# KiCad board door-server.kicad_pcb
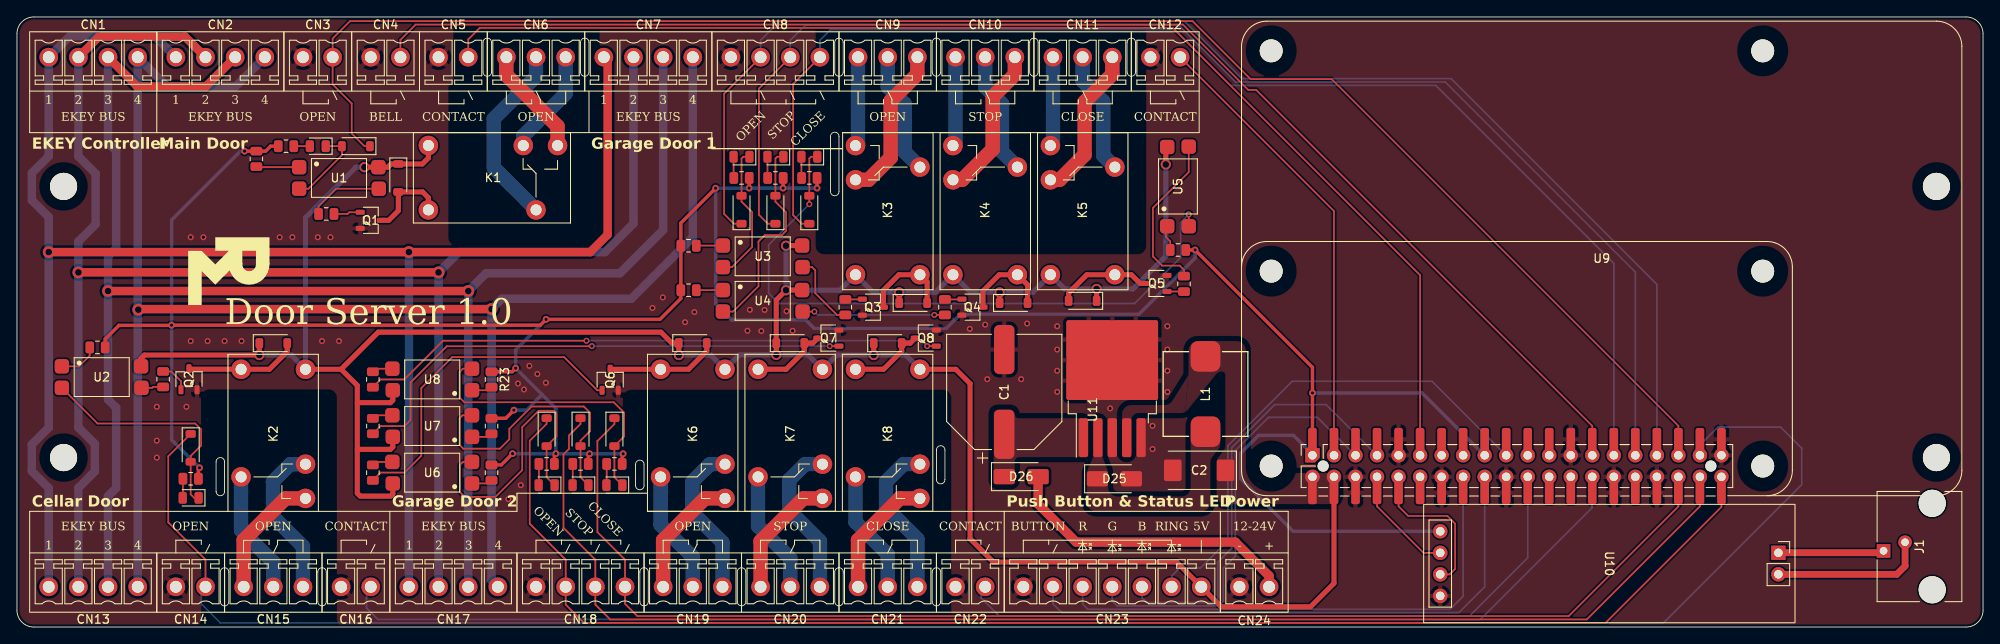
[diagram p0: board, top side]
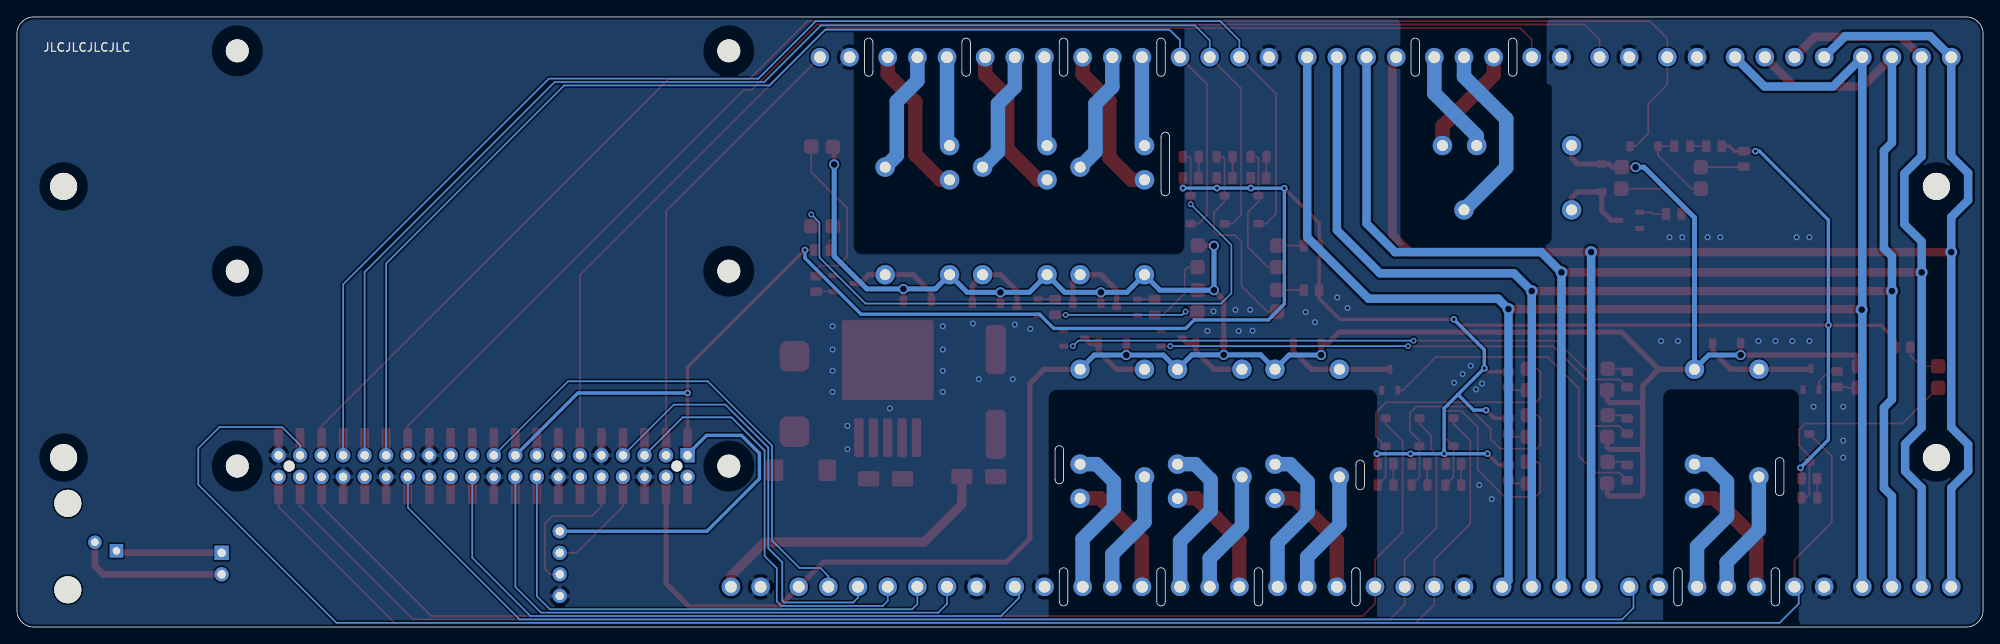
[diagram p1: board, bottom side, seen from below]

Outline 232 x 72 mm; copper layers: Top, Bottom. Coordinates in mm from the lower left corner of the outline.
Outline path: 0,70 0,2 arc(0.59,0.59) 2,0 230,0 arc(231.41,0.59) 232,2 232,70 arc(231.41,71.41) 230,72 2,72 arc(0.59,71.41) 0,70 ; 23.5,19.5 23.5,16 arc(24,15.5) 24.5,16 24.5,19.5 arc(24,20) 23.5,19.5 ; 24,6.5 24,3 arc(24.5,2.5) 25,3 25,6.5 arc(24.5,7) 24,6.5 ; 35.5,6.5 35.5,3 arc(36,2.5) 36.5,3 36.5,6.5 arc(36,7) 35.5,6.5 ; 55,69 55,65.5 arc(55.5,65) 56,65.5 56,69 arc(55.5,69.5) 55,69 ; 66.5,69 66.5,65.5 arc(67,65) 67.5,65.5 67.5,69 arc(67,69.5) 66.5,69 ; 73,19.2 73,16.7 arc(73.5,16.2) 74,16.7 74,19.2 arc(73.5,19.7) 73,19.2 ; 73.5,6.5 73.5,3 arc(74,2.5) 74.5,3 74.5,6.5 arc(74,7) 73.5,6.5 ; 85,6.5 85,3 arc(85.5,2.5) 86,3 86,6.5 arc(85.5,7) 85,6.5 ; 96,57.9 96,51.4 arc(96.5,50.9) 97,51.4 97,57.9 arc(96.5,58.4) 96,57.9 ; 96.5,69 96.5,65.5 arc(97,65) 97.5,65.5 97.5,69 arc(97,69.5) 96.5,69 ; 96.5,6.5 96.5,3 arc(97,2.5) 97.5,3 97.5,6.5 arc(97,7) 96.5,6.5 ; 108,69 108,65.5 arc(108.5,65) 109,65.5 109,69 arc(108.5,69.5) 108,69 ; 108,6.5 108,3 arc(108.5,2.5) 109,3 109,6.5 arc(108.5,7) 108,6.5 ; 108.5,20.9 108.5,17.4 arc(109,16.9) 109.5,17.4 109.5,20.9 arc(109,21.4) 108.5,20.9 ; 119.5,69 119.5,65.5 arc(120,65) 120.5,65.5 120.5,69 arc(120,69.5) 119.5,69 ; 131,69 131,65.5 arc(131.5,65) 132,65.5 132,69 arc(131.5,69.5) 131,69
Stack: Top 0.035mm / dielectric 1.51mm FR4 er 4.5 / Bottom 0.035mm

## Placement (name value [footprint] x y rotation side)
C1  470µF  [CAP-SMD_BD12.5-L13.6-W13.6-LS13.5-FD]  116.5 27.75 90 top
C2  220µF  [CP_EIA-7343-30_AVX-N]  139.5 18.5 180 top
CN1  KF2EDGV-3.5-4P  [CONN-TH_4P-P3.50_KF2EDGV-3.5-4P]  9 66.75 0 top
CN2  KF2EDGV-3.5-4P  [CONN-TH_4P-P3.50_KF2EDGV-3.5-4P]  24 66.75 0 top
CN3  KF2EDGV-3.5-2P  [CONN-TH_2P_P3.50_KF2EDGV-3.5-2P]  35.5 66.75 0 top
CN4  KF2EDGV-3.5-2P  [CONN-TH_2P_P3.50_KF2EDGV-3.5-2P]  43.5 66.75 0 top
CN5  KF2EDGV-3.5-2P  [CONN-TH_2P_P3.50_KF2EDGV-3.5-2P]  51.5 66.75 0 top
CN6  KF2EDGV-3.5-3P  [CONN-TH_3P-P3.50_KF2EDGV-3.5-3P]  61.25 66.75 0 top
CN7  KF2EDGV-3.5-4P  [CONN-TH_4P-P3.50_KF2EDGV-3.5-4P]  74.5 66.75 0 top
CN8  KF2EDGV-3.5-4P  [CONN-TH_4P-P3.50_KF2EDGV-3.5-4P]  89.5 66.75 0 top
CN9  KF2EDGV-3.5-3P  [CONN-TH_3P-P3.50_KF2EDGV-3.5-3P]  102.75 66.75 0 top
CN10  KF2EDGV-3.5-3P  [CONN-TH_3P-P3.50_KF2EDGV-3.5-3P]  114.25 66.75 0 top
CN11  KF2EDGV-3.5-3P  [CONN-TH_3P-P3.50_KF2EDGV-3.5-3P]  125.75 66.75 0 top
CN12  KF2EDGV-3.5-2P  [CONN-TH_2P_P3.50_KF2EDGV-3.5-2P]  135.5 66.75 0 top
CN13  KF2EDGV-3.5-4P  [CONN-TH_4P-P3.50_KF2EDGV-3.5-4P]  9 5.25 180 top
CN14  KF2EDGV-3.5-2P  [CONN-TH_2P_P3.50_KF2EDGV-3.5-2P]  20.5 5.25 180 top
CN15  KF2EDGV-3.5-3P  [CONN-TH_3P-P3.50_KF2EDGV-3.5-3P]  30.25 5.25 180 top
CN16  KF2EDGV-3.5-2P  [CONN-TH_2P_P3.50_KF2EDGV-3.5-2P]  40 5.25 180 top
CN17  KF2EDGV-3.5-4P  [CONN-TH_4P-P3.50_KF2EDGV-3.5-4P]  51.5 5.25 180 top
CN18  KF2EDGV-3.5-4P  [CONN-TH_4P-P3.50_KF2EDGV-3.5-4P]  66.5 5.25 180 top
CN19  KF2EDGV-3.5-3P  [CONN-TH_3P-P3.50_KF2EDGV-3.5-3P]  79.75 5.25 180 top
CN20  KF2EDGV-3.5-3P  [CONN-TH_3P-P3.50_KF2EDGV-3.5-3P]  91.25 5.25 180 top
CN21  KF2EDGV-3.5-3P  [CONN-TH_3P-P3.50_KF2EDGV-3.5-3P]  102.75 5.25 180 top
CN22  KF2EDGV-3.5-2P  [CONN-TH_2P_P3.50_KF2EDGV-3.5-2P]  112.5 5.25 180 top
CN23  KF2EDGV-3.5-7P  [CONN-TH_7P-P3.50_KF2EDGV-3.5-7P]  129.25 5.25 180 top
CN24  KF2EDGV-3.5-2P  [CONN-TH_2P_P3.50_KF2EDGV-3.5-2P]  146 5.25 180 top
D1  LED  [LED0805-RD_RED]  35.5 56.75 180 top
D2  1N4148W  [D_SOD-123]  40 56.75 180 top
D3  1N4148W  [D_SOD-123]  45 53 270 top
D4  LED  [LED0805-RD_RED]  20.5 15.25 180 top
D5  1N4148W  [D_SOD-123]  20.5 21.15 270 top
D6  1N4148W  [D_SOD-123]  30.25 33.5 0 top
D7  LED  [LED0805-RD_RED]  85.5 55.5 180 top
D8  1N4148W  [D_SOD-123]  85.5 49.25 90 top
D9  1N4148W  [D_SOD-123]  105.75 38.25 0 top
D10  LED  [LED0805-RD_RED]  89.5 55.5 180 top
D11  1N4148W  [D_SOD-123]  89.5 49.25 90 top
D12  1N4148W  [D_SOD-123]  117.6 38.25 0 top
D13  LED  [LED0805-RD_RED]  93.5 55.5 180 top
D14  1N4148W  [D_SOD-123]  93.5 49.25 90 top
D15  1N4148W  [D_SOD-123]  125.75 38.5 180 top
D16  LED  [LED0805-RD_RED]  62.5 16.75 180 top
D17  1N4148W  [D_SOD-123]  62.5 23 270 top
D18  1N4148W  [D_SOD-123]  79.75 33.5 0 top
D19  LED  [LED0805-RD_RED]  66.5 16.75 180 top
D20  1N4148W  [D_SOD-123]  66.5 23 270 top
D21  1N4148W  [D_SOD-123]  91.25 33.5 0 top
D22  LED  [LED0805-RD_RED]  70.5 16.75 180 top
D23  1N4148W  [D_SOD-123]  70.5 23 270 top
D24  1N4148W  [D_SOD-123]  102.75 33.5 0 top
D25  1N5825  [D_SMA]  129.5 17.5 0 top
D26  1N5825  [D_SMA]  118.5 17.75 0 top
J1  6P2C  [RJ11-TH_55A-1X1-6P2C-E-13H_HC-WK62-MIH12-G]  224.5 9.5 90 top
K1  Relay_SPDT  [RELAY-TH_HF32F-012-ZS3]  56.17 53.03 0 top
K2  Relay_SPDT  [RELAY-TH_HF32F-012-ZS3]  30.25 22.8 270 top
K3  Relay_SPDT  [RELAY-TH_HF32F-012-ZS3]  102.75 49.2 90 top
K4  Relay_SPDT  [RELAY-TH_HF32F-012-ZS3]  114.25 49.2 90 top
K5  Relay_SPDT  [RELAY-TH_HF32F-012-ZS3]  125.75 49.2 90 top
K6  Relay_SPDT  [RELAY-TH_HF32F-012-ZS3]  79.75 22.8 270 top
K7  Relay_SPDT  [RELAY-TH_HF32F-012-ZS3]  91.25 22.8 270 top
K8  Relay_SPDT  [RELAY-TH_HF32F-012-ZS3]  102.75 22.8 270 top
L1  47µH  [IND-SMD_L10.0-W10.0_MDA1040-220M]  140.25 27.5 90 top
Q1  S8050  [SOT-23-3_L2.9-W1.6-P1.90-LS2.8-BR]  41.75 48 180 top
Q2  S8050  [SOT-23-3_L2.9-W1.6-P1.90-LS2.8-BR]  20.3 29.25 270 top
Q3  S8050  [SOT-23-3_L2.9-W1.6-P1.90-LS2.8-BR]  101 37.75 180 top
Q4  S8050  [SOT-23-3_L2.9-W1.6-P1.90-LS2.8-BR]  112.75 37.75 180 top
Q5  S8050  [SOT-23-3_L2.9-W1.6-P1.90-LS2.8-BR]  134.46 40.55 0 top
Q6  S8050  [SOT-23-3_L2.9-W1.6-P1.90-LS2.8-BR]  70 29.18 270 top
Q7  S8050  [SOT-23-3_L2.9-W1.6-P1.90-LS2.8-BR]  95.75 34.1 0 top
Q8  S8050  [SOT-23-3_L2.9-W1.6-P1.90-LS2.8-BR]  107.24 34.1 0 top
R1  4.7kΩ  [R_0805_2012Metric]  31.75 56.75 180 top
R2  1kΩ  [R_0805_2012Metric]  28.25 55.25 90 top
R3  1kΩ  [R_0805_2012Metric]  36.5 48.75 0 top
R4  4.7kΩ  [R_0805_2012Metric]  20.5 17.5 0 top
R5  1kΩ  [R_0805_2012Metric]  9.5 33 0 top
R6  1kΩ  [R_0805_2012Metric]  17.25 29.25 90 top
R7  4.7kΩ  [R_0805_2012Metric]  85.5 53 0 top
R8  1kΩ  [R_0805_2012Metric]  79.25 45 180 top
R9  1kΩ  [R_0805_2012Metric]  97.75 37.75 90 top
R10  4.7kΩ  [R_0805_2012Metric]  89.5 53 0 top
R11  1kΩ  [R_0805_2012Metric]  79.25 39.75 180 top
R12  1kΩ  [R_0805_2012Metric]  109.5 37.75 90 top
R13  4.7kΩ  [R_0805_2012Metric]  93.5 53 0 top
R14  1kΩ  [R_0805_2012Metric]  137 44.5 0 top
R15  1kΩ  [R_0805_2012Metric]  137.71 40.5 270 top
R16  4.7kΩ  [R_0805_2012Metric]  62.5 19.25 0 top
R17  1kΩ  [R_0805_2012Metric]  56 18.22 90 top
R18  1kΩ  [R_0805_2012Metric]  42 18.22 270 top
R19  4.7kΩ  [R_0805_2012Metric]  66.5 19.25 0 top
R20  1kΩ  [R_0805_2012Metric]  56 23.72 90 top
R21  1kΩ  [R_0805_2012Metric]  42 23.72 270 top
R22  4.7kΩ  [R_0805_2012Metric]  70.5 19.25 0 top
R23  1kΩ  [R_0805_2012Metric]  56 29.22 90 top
R24  1kΩ  [R_0805_2012Metric]  42 29.22 270 top
REF**  -  [DRG-02]  5.5 36 0 top
REF**#2  -  [DRG-02]  226.5 36 0 top
SYM1  -  [MR-Logo_9.6x8mm]  25 42 0 top
U1  PC817  [OPTO-SMD-4_L4.6-W6.5-P2.54-LS10.3-TL]  38 53 0 top
U2  PC817  [OPTO-SMD-4_L4.6-W6.5-P2.54-LS10.3-TL]  10 29.5 0 top
U3  PC817  [OPTO-SMD-4_L4.6-W6.5-P2.54-LS10.3-TL]  88 43.75 0 top
U4  PC817  [OPTO-SMD-4_L4.6-W6.5-P2.54-LS10.3-TL]  88 38.5 0 top
U5  PC817  [OPTO-SMD-4_L4.6-W6.5-P2.54-LS10.3-TL]  137 52 90 top
U6  PC817  [OPTO-SMD-4_L4.6-W6.5-P2.54-LS10.3-TL]  49 18.22 180 top
U7  PC817  [OPTO-SMD-4_L4.6-W6.5-P2.54-LS10.3-TL]  49 23.72 180 top
U8  PC817  [OPTO-SMD-4_L4.6-W6.5-P2.54-LS10.3-TL]  49 29.22 180 top
U9  Raspberry_Pi_2_3  [PinSocket_2x20_P2.54mm_Vertical_RaspberryPi]  187 43.5 0 top
U10  ~  [UART_MBUS_Slave_Module]  187.9 7.49 270 top
U11  LM2596S-5  [TO-263-5_TabPin3]  129.25 30 90 top

## Library data of the parts
C1 = -: Description: Polarized capacitor; LCSC Part: C2163610; Part: UCZ1V681MNQ1MS; Ripple Current: 1.5A; Voltage: 30V
C2 = -: Description: Polarized capacitor; LCSC Part: C8028; Part: TPSD227M010R0100; Type: Tantalum; Voltage: 10V
CN1 CN2 CN7 CN8 CN13 CN17 CN18 = -: LCSC Part: C441323
CN3-CN5 CN12 CN14 CN16 CN22 CN24 = -: LCSC Part: C441321
CN6 CN9-CN11 CN15 CN19-CN21 = -: LCSC Part: C441322
CN23 = -: LCSC Part: C441326
D1 D4 D7 D10 D13 D16 D19 D22 = -: LCSC Part: C965812
D2 D3 D5 D6 D8 D9 D11 D12 D14 D15 D17 D18 D20 D21 D23 D24 = -: Description: 75V 0.15A Fast Switching Diode, SOD-123; LCSC Part: C5345962; Sim.Device: D; Sim.Pins: 1=K 2=A
D25 D26 = -: Description: Schottky diode; Current: 5A; LCSC Part: C22452; Voltage: 40V
J1 = -: LCSC Part: C7501840
K1-K8 = -: LCSC Part: C118878
L1 = -: Description: Inductor; LCSC Part: C2847557
Q1-Q8 = -: LCSC Part: C105433
R1 R4 R7 R10 R13 R16 R19 R22 = -: Description: Resistor; LCSC Part: C103059
R2 R3 R5 R6 R8 R9 R11 R12 R14 R15 R17 R18 R20 R21 R23 R24 = -: Description: Resistor; LCSC Part: C3017842
SYM1 = -: Sim.Enable: 0
U1-U8 = -: LCSC Part: C3025164
U9 = -: Description: expansion header for Raspberry Pi 2 & 3; LCSC Part: C2685116
U10 = -: LCSC Part: C2718488,C49661
U11 = -: Description: 5V 3A Step-Down Voltage Regulator, TO-263; LCSC Part: C74190

## Footprints (pads in the part's own frame, mm; a bottom-side part is the same pattern mirrored in y, then rotated)
CAP-SMD_BD12.5-L13.6-W13.6-LS13.5-FD
  rrect 5.8x2.4 smd: 1(-5,0) 2(5,0)
CONN-TH_2P_P3.50_KF2EDGV-3.5-2P
  round 2.2 hole 1.4: 1(-1.75,0.5) 2(1.75,0.5)
CONN-TH_3P-P3.50_KF2EDGV-3.5-3P
  round 2.2 hole 1.4: 1(-3.5,0.5) 2(0,0.5) 3(3.5,0.5)
CONN-TH_4P-P3.50_KF2EDGV-3.5-4P
  round 2.2 hole 1.4: 1(-5.25,0.5) 2(-1.75,0.5) 3(1.75,0.5) 4(5.25,0.5)
CONN-TH_7P-P3.50_KF2EDGV-3.5-7P
  round 2.2 hole 1.4: 1(-10.5,0.5) 2(-7,0.5) 3(-3.5,0.5) 4(0,0.5) 5(3.5,0.5) 6(7,0.5) 7(10.5,0.5)
CP_EIA-7343-30_AVX-N
  rrect 2.075x2.55 smd: 1(-3.112,0) 2(3.112,0)
D_SMA
  rrect 2.5x1.8 smd: 1(-2,0) 2(2,0)
D_SOD-123
  rrect 0.9x1.2 smd: 1(-1.65,0) 2(1.65,0)
DRG-02
  round 5.7 hole 3.2 unplated: (0,16) (0,-16)
IND-SMD_L10.0-W10.0_MDA1040-220M
  rrect 3.6x3.5 smd: 1(-4.45,0) 2(4.45,0)
LED0805-RD_RED
  rrect 0.975x1.4 smd: 1(-0.938,0) 2(0.938,0)
OPTO-SMD-4_L4.6-W6.5-P2.54-LS10.3-TL
  rrect 1.7x1.71 smd: 1(-4.7,1.27) 2(-4.7,-1.27) 3(4.7,-1.27) 4(4.65,1.27)
PinSocket_2x20_P2.54mm_Vertical_RaspberryPi
  round 6 hole 2.7 unplated: (-39,24.5) (-39,-1.5) (-39,-24.5) (19,24.5) (19,-1.5) (19,-24.5)
  rrect 1.02x2.7 smd: (-34.13,-21.35) (-34.13,-27.65) (-31.59,-21.35) (-31.59,-27.65) (-29.05,-21.35) (-29.05,-27.65) (-26.51,-21.35) (-26.51,-27.65) (-23.97,-21.35) (-23.97,-27.65) (-21.43,-21.35) (-21.43,-27.65) (-18.89,-21.35) (-18.89,-27.65) (-16.35,-21.35) (-16.35,-27.65) (-13.81,-21.35) (-13.81,-27.65) (-11.27,-21.35) (-11.27,-27.65) (-8.73,-21.35) (-8.73,-27.65) (-6.19,-21.35) (-6.19,-27.65) (-3.65,-21.35) (-3.65,-27.65) (-1.11,-21.35) (-1.11,-27.65) (1.43,-21.35) (1.43,-27.65) (3.97,-21.35) (3.97,-27.65) (6.51,-21.35) (6.51,-27.65) (9.05,-21.35) (9.05,-27.65) (11.59,-21.35) (11.59,-27.65) (14.13,-21.35) (14.13,-27.65) 1(-34.13,-21.35) 2(-34.13,-27.65) 3(-31.59,-21.35) 4(-31.59,-27.65) 5(-29.05,-21.35) 6(-29.05,-27.65) 7(-26.51,-21.35) 8(-26.51,-27.65) 9(-23.97,-21.35) 10(-23.97,-27.65) 11(-21.43,-21.35) 12(-21.43,-27.65) 13(-18.89,-21.35) 14(-18.89,-27.65) 15(-16.35,-21.35) 16(-16.35,-27.65) 17(-13.81,-21.35) 18(-13.81,-27.65) 19(-11.27,-21.35) 20(-11.27,-27.65) 21(-8.73,-21.35) 22(-8.73,-27.65) 23(-6.19,-21.35) 24(-6.19,-27.65) 25(-3.65,-21.35) 26(-3.65,-27.65) 27(-1.11,-21.35) 28(-1.11,-27.65) 29(1.43,-21.35) 30(1.43,-27.65) 31(3.97,-21.35) 32(3.97,-27.65) 33(6.51,-21.35) 34(6.51,-27.65) 35(9.05,-21.35) 36(9.05,-27.65) 37(11.59,-21.35) 38(11.59,-27.65) 39(14.13,-21.35) 40(14.13,-27.65)
  round 1.3 hole 1.3 unplated: (-32.87,-24.5) (12.88,-24.5)
  rrect 1.7x1.7 hole 1: 1(-34.13,-23.23)
  oval 1.7x1.7 hole 1: 2(-34.13,-25.77) 3(-31.59,-23.23) 4(-31.59,-25.77) 5(-29.05,-23.23) 6(-29.05,-25.77) 7(-26.51,-23.23) 8(-26.51,-25.77) 9(-23.97,-23.23) 10(-23.97,-25.77) 11(-21.43,-23.23) 12(-21.43,-25.77) 13(-18.89,-23.23) 14(-18.89,-25.77) 15(-16.35,-23.23) 16(-16.35,-25.77) 17(-13.81,-23.23) 18(-13.81,-25.77) 19(-11.27,-23.23) 20(-11.27,-25.77) 21(-8.73,-23.23) 22(-8.73,-25.77) 23(-6.19,-23.23) 24(-6.19,-25.77) 25(-3.65,-23.23) 26(-3.65,-25.77) 27(-1.11,-23.23) 28(-1.11,-25.77) 29(1.43,-23.23) 30(1.43,-25.77) 31(3.97,-23.23) 32(3.97,-25.77) 33(6.51,-23.23) 34(6.51,-25.77) 35(9.05,-23.23) 36(9.05,-25.77) 37(11.59,-23.23) 38(11.59,-25.77) 39(14.13,-23.23) 40(14.13,-25.77)
R_0805_2012Metric
  rrect 1.025x1.4 smd: 1(-0.912,0) 2(0.912,0)
RELAY-TH_HF32F-012-ZS3
  round 2.3 hole 1.3: 1(-7.62,-3.8) 2(-7.62,3.8) 3(3.58,3.8) 4(7.62,3.8) 5(5.08,-3.8)
RJ11-TH_55A-1X1-6P2C-E-13H_HC-WK62-MIH12-G
  round 3.2 hole 3.2 unplated: (-5.1,-1.5) (5.1,-1.5)
  rect 1.6x1.6 hole 0.9: 1(-0.51,4.24)
  round 1.6 hole 0.9: 2(0.51,1.7)
SOT-23-3_L2.9-W1.6-P1.90-LS2.8-BR
  rrect 1.07x0.6 smd: 1(1.24,-0.95) 2(1.24,0.95) 3(-1.24,0)
TO-263-5_TabPin3
  rrect 4.6x1.1 smd: 1(-7.65,3.4) 2(-7.65,1.7) 3(-7.65,0) 4(-7.65,-1.7) 5(-7.65,-3.4)
  rrect 4.55x5.25 smd: 3(-0.925,2.775) 3(-0.925,-2.775) 3(3.925,2.775) 3(3.925,-2.775)
  rrect 9.4x10.8 smd: 3(1.5,0)
UART_MBUS_Slave_Module
  rect 1.7x1.7 hole 1: 1(-1.27,19.95)
  oval 1.7x1.7 hole 1: 2(1.27,19.95) 4(-1.27,-19.95) 5(1.27,-19.95) 6(3.81,-19.95)
  round 1.7 hole 1: 3(-3.81,-19.95)

## Nets
+3.3V: R1.2 R2.2 R4.2 R5.2 R7.2 R8.2 R10.2 R11.2 R13.2 R14.2 R16.2 R17.2 R19.2 R20.2 R22.2 R23.2 U9.1 U9.17 U10.3
+5V: C2.1 CN23.1 D3.1 D6.1 D9.1 D12.1 D15.1 D18.1 D21.1 D24.1 K1.2 K2.2 K3.2 K4.2 K5.2 K6.2 K7.2 K8.2 L1.2 U1.4 U2.4 U3.4 U4.4 U5.4 U6.4 U7.4 U8.4 U9.2 U9.4 U11.4
GND: C1.2 C2.2 CN3.1 CN4.1 CN5.1 CN8.1 CN12.1 CN14.2 CN16.2 CN18.4 CN22.2 CN23.7 CN24.2 D25.2 Q1.2 Q2.2 Q3.2 Q4.2 Q5.2 Q6.2 Q7.2 Q8.2 U9.6 U9.9 U9.14 U9.20 U9.25 U9.30 U9.34 U9.39 U10.6 U11.3 U11.5
+VDC: CN24.1 D26.2
/MBUS+: J1.1 U10.1
/MBUS-: J1.2 U10.2
/Power Supply/PWR_IN: C1.1 D26.1 U11.1
/Power Supply/PWR_OUT: D25.1 L1.1 U11.2
/Relays/CELLAR_DOOR_OPEN_COM: CN15.2 K2.5
/Relays/CELLAR_DOOR_OPEN_LED_A: D4.2 R4.1
/Relays/CELLAR_DOOR_OPEN_NC: CN15.1 K2.3
/Relays/CELLAR_DOOR_OPEN_NO: CN15.3 K2.4
/Relays/CELLAR_DOOR_OPEN_O_A: R5.1 U2.1
/Relays/CELLAR_DOOR_OPEN_O_E: R6.1 U2.3
/Relays/CELLAR_DOOR_OPEN_O_K: D4.1 D5.2 U2.2
/Relays/CELLAR_DOOR_OPEN_S8050_B: Q2.1 R6.2
/Relays/CELLAR_DOOR_OPEN_S8050_C: D6.2 K2.1 Q2.3
/Relays/GARAGE_DOOR2_CLOSE_COM: CN21.2 K8.5
/Relays/GARAGE_DOOR2_CLOSE_LED_A: D22.2 R22.1
/Relays/GARAGE_DOOR2_CLOSE_NC: CN21.1 K8.3
/Relays/GARAGE_DOOR2_CLOSE_NO: CN21.3 K8.4
/Relays/GARAGE_DOOR2_CLOSE_O_A: R23.1 U8.1
/Relays/GARAGE_DOOR2_CLOSE_O_E: R24.1 U8.3
/Relays/GARAGE_DOOR2_CLOSE_O_K: D22.1 D23.2 U8.2
/Relays/GARAGE_DOOR2_CLOSE_S8050_B: Q8.1 R24.2
/Relays/GARAGE_DOOR2_CLOSE_S8050_C: D24.2 K8.1 Q8.3
/Relays/GARAGE_DOOR2_OPEN_COM: CN19.2 K6.5
/Relays/GARAGE_DOOR2_OPEN_LED_A: D16.2 R16.1
/Relays/GARAGE_DOOR2_OPEN_NC: CN19.1 K6.3
/Relays/GARAGE_DOOR2_OPEN_NO: CN19.3 K6.4
/Relays/GARAGE_DOOR2_OPEN_O_A: R17.1 U6.1
/Relays/GARAGE_DOOR2_OPEN_O_E: R18.1 U6.3
/Relays/GARAGE_DOOR2_OPEN_O_K: D16.1 D17.2 U6.2
/Relays/GARAGE_DOOR2_OPEN_S8050_B: Q6.1 R18.2
/Relays/GARAGE_DOOR2_OPEN_S8050_C: D18.2 K6.1 Q6.3
/Relays/GARAGE_DOOR2_STOP_COM: CN20.2 K7.5
/Relays/GARAGE_DOOR2_STOP_LED_A: D19.2 R19.1
/Relays/GARAGE_DOOR2_STOP_NC: CN20.1 K7.3
/Relays/GARAGE_DOOR2_STOP_NO: CN20.3 K7.4
/Relays/GARAGE_DOOR2_STOP_O_A: R20.1 U7.1
/Relays/GARAGE_DOOR2_STOP_O_E: R21.1 U7.3
/Relays/GARAGE_DOOR2_STOP_O_K: D19.1 D20.2 U7.2
/Relays/GARAGE_DOOR2_STOP_S8050_B: Q7.1 R21.2
/Relays/GARAGE_DOOR2_STOP_S8050_C: D21.2 K7.1 Q7.3
/Relays/GARAGE_DOOR_CLOSE_COM: CN11.2 K5.5
/Relays/GARAGE_DOOR_CLOSE_LED_A: D13.2 R13.1
/Relays/GARAGE_DOOR_CLOSE_NC: CN11.3 K5.3
/Relays/GARAGE_DOOR_CLOSE_NO: CN11.1 K5.4
/Relays/GARAGE_DOOR_CLOSE_O_A: R14.1 U5.1
/Relays/GARAGE_DOOR_CLOSE_O_E: R15.1 U5.3
/Relays/GARAGE_DOOR_CLOSE_O_K: D13.1 D14.2 U5.2
/Relays/GARAGE_DOOR_CLOSE_S8050_B: Q5.1 R15.2
/Relays/GARAGE_DOOR_CLOSE_S8050_C: D15.2 K5.1 Q5.3
/Relays/GARAGE_DOOR_OPEN_COM: CN9.2 K3.5
/Relays/GARAGE_DOOR_OPEN_LED_A: D7.2 R7.1
/Relays/GARAGE_DOOR_OPEN_NC: CN9.3 K3.3
/Relays/GARAGE_DOOR_OPEN_NO: CN9.1 K3.4
/Relays/GARAGE_DOOR_OPEN_O_A: R8.1 U3.1
/Relays/GARAGE_DOOR_OPEN_O_E: R9.1 U3.3
/Relays/GARAGE_DOOR_OPEN_O_K: D7.1 D8.2 U3.2
/Relays/GARAGE_DOOR_OPEN_S8050_B: Q3.1 R9.2
/Relays/GARAGE_DOOR_OPEN_S8050_C: D9.2 K3.1 Q3.3
/Relays/GARAGE_DOOR_STOP_COM: CN10.2 K4.5
/Relays/GARAGE_DOOR_STOP_LED_A: D10.2 R10.1
/Relays/GARAGE_DOOR_STOP_NC: CN10.3 K4.3
/Relays/GARAGE_DOOR_STOP_NO: CN10.1 K4.4
/Relays/GARAGE_DOOR_STOP_O_A: R11.1 U4.1
/Relays/GARAGE_DOOR_STOP_O_E: R12.1 U4.3
/Relays/GARAGE_DOOR_STOP_O_K: D10.1 D11.2 U4.2
/Relays/GARAGE_DOOR_STOP_S8050_B: Q4.1 R12.2
/Relays/GARAGE_DOOR_STOP_S8050_C: D12.2 K4.1 Q4.3
/Relays/MAIN_DOOR_OPEN_COM: CN6.2 K1.5
/Relays/MAIN_DOOR_OPEN_LED_A: D1.2 R1.1
/Relays/MAIN_DOOR_OPEN_NC: CN6.3 K1.3
/Relays/MAIN_DOOR_OPEN_NO: CN6.1 K1.4
/Relays/MAIN_DOOR_OPEN_O_A: R2.1 U1.1
/Relays/MAIN_DOOR_OPEN_O_E: R3.1 U1.3
/Relays/MAIN_DOOR_OPEN_O_K: D1.1 D2.2 U1.2
/Relays/MAIN_DOOR_OPEN_S8050_B: Q1.1 R3.2
/Relays/MAIN_DOOR_OPEN_S8050_C: D3.2 K1.1 Q1.3
CELLAR_DOOR_CONTACT: CN16.1 U9.28
CELLAR_DOOR_OPEN: CN14.1 D5.1 U9.37
DOOR_STATUS_RGB_RING: CN23.2 U9.19
EKEY_L1: CN1.1 CN2.1 CN7.1 CN13.4 CN17.4
EKEY_L2: CN1.2 CN2.2 CN7.2 CN13.3 CN17.3
EKEY_L3: CN1.3 CN2.3 CN7.3 CN13.2 CN17.2
EKEY_L4: CN1.4 CN2.4 CN7.4 CN13.1 CN17.1
GARAGE_DOOR2_CLOSE: CN18.1 D23.1 U9.36
GARAGE_DOOR2_CONTACT: CN22.1 U9.22
GARAGE_DOOR2_OPEN: CN18.3 D17.1 U9.40
GARAGE_DOOR2_STOP: CN18.2 D20.1 U9.38
GARAGE_DOOR_BUTTON: CN23.6 U9.18
GARAGE_DOOR_BUTTON_LED_B: CN23.3 U9.7
GARAGE_DOOR_BUTTON_LED_G: CN23.4 U9.5
GARAGE_DOOR_BUTTON_LED_R: CN23.5 U9.16
GARAGE_DOOR_CLOSE: CN8.4 D14.1 U9.29
GARAGE_DOOR_CONTACT: CN12.2 U9.3
GARAGE_DOOR_OPEN: CN8.2 D8.1 U9.33
GARAGE_DOOR_STOP: CN8.3 D11.1 U9.31
MAIN_DOOR_BELL: CN4.2 U9.27
MAIN_DOOR_CONTACT: CN5.2 U9.11
MAIN_DOOR_OPEN: CN3.2 D2.1 U9.35
UART_RX: U9.10 U10.5
UART_TX: U9.8 U10.4

Pads without a net: U9 12 13 15 21 23 24 26 32

## Via types
v1: diameter 1.2, hole 0.8, Top to Bottom, 11 vias
v2: diameter 0.7, hole 0.4, Top to Bottom, 57 vias
v3: diameter 0.8, hole 0.4, Top to Bottom, 16 vias
v4: diameter 1.4, hole 0.8, Top to Bottom, 8 vias

## Routing (per net, layer and track width the routed paths; a pad name or vN(x,y) marks a point on that pad's centre or on a via; arc(x,y) is an arc through that point)
+3.3V: length 365.9
  Top w0.4: v3(58.85,30.55) 58.44,30.13 R23.2 ; R14.2 v3(139.02,44.5) 152.87,30.65 v3(152.87,27.62) U9.1 ; R5.2 10.41,33.98 12.03,35.61 18.23,35.61 v3(18.25,35.63) 61.76,35.63 v3(62.44,36.31) 75.88,36.31 78.34,38.77 R11.2 R8.2 78.34,47.68 v3(82.45,51.79) ; v3(58.48,20.46) 57.15,19.13 R17.2 ; v3(94.41,51.8) R13.2 ; R1.2 29.93,56.75 29.34,56.16 R2.2 26.86,56.16 v3(26.86,56.16) ; v3(71.53,20.45) 71.41,20.33 R22.2 ; R16.2 63.41,20.28 v3(63.59,20.46) ; v3(86.4,51.8) 86.41,51.81 R7.2 ; R10.2 90.41,51.81 v3(90.4,51.8) ; v3(21.55,18.8) 21.41,18.66 R4.2 ; v3(58.64,25.6) 57.67,24.63 R20.2 ; R19.2 67.41,20.29 v3(67.57,20.45)
  Bottom w0.4: 167.94,11.31 150.58,11.31 144.39,17.5 144.39,20.51 146.5,22.62 150.63,22.62 152.84,20.41 ; 61.96,27.44 63.59,25.81 v3(63.59,20.46) ; 61.96,27.44 v3(58.85,30.55) 58.85,32.72 v3(62.44,36.31) ; 61.96,27.44 60.12,25.6 v3(58.64,25.6) ; v3(26.86,56.16) 26.37,56.16 18.25,48.04 v3(18.25,35.63) 18.25,22.09 v3(21.55,18.8) ; v3(139.02,44.5) 139.02,43.54 132.4,36.92 111.34,36.92 109.66,35.24 94.08,35.24 93.07,36.25 84.33,36.25 82.45,38.13 v3(82.45,51.79) 86.39,51.79 v3(86.4,51.8) 93.91,51.8 ; v3(63.59,20.46) 63.6,20.45 v3(67.57,20.45) v3(71.53,20.45) ; v3(63.59,20.46) v3(58.48,20.46) ; 173.16,20.27 165.81,27.62 v3(152.87,27.62)
+5V: length 341.5
  Top w0.6: v1(127.4,39.9) D15.1 ; 38.25,30.42 42.63,34.8 75.99,34.8 77.29,33.5 D18.1 78.1,32.11 v1(78.11,32.1) ; 38.25,30.42 K2.2 ; 38.25,30.42 40.16,28.51 40.16,15.79 40.5,15.45 44.09,15.45 44.35,15.71 U6.4 ; U2.4 14.65,31.69 15.06,32.1 v1(28.6,32.1) D6.1 ; U3.4 90.77,45.02 v1(90.75,45) ; K8.2 110.78,30.42 112.47,28.73 112.47,10.43 115.23,7.67 136.83,7.67 CN23.1 142.12,2.38 152.63,2.38 155.41,5.16 U9.4 ; U9.2 152.87,16.57 ; 40.16,26.48 44.07,26.48 44.35,26.76 44.35,27.51 ; v1(115.95,39.5) D12.1 ; U4.4 90.77,39.77 v1(90.75,39.75) 89.6,38.6 D21.1 v1(89.6,32.12) ; K1.2 48.55,55.36 47.84,54.65 D3.1 44.14,54.65 43.76,54.27 v1(41,54.27) ; 40.16,20.97 44.07,20.97 44.35,21.25 U7.4 ; v1(104.1,39.5) D9.1 ; v1(135.57,54.59) 135.57,56.49 ; v1(101.1,32.1) D24.1
  Bottom w0.6: v1(90.75,45) v1(90.75,39.75) 97.12,39.75 K3.2 101.03,39.5 108.37,39.5 K4.2 112.53,39.5 119.87,39.5 K5.2 123.63,39.9 v1(127.4,39.9) 131.7,39.9 135.57,43.77 v1(135.57,54.59) ; v1(28.6,32.1) 32.37,32.1 K2.2 34.05,48.32 40,54.27 v1(41,54.27) ; 106.55,30.42 104.88,32.1 v1(101.1,32.1) 96.72,32.1 95.05,30.42 93.35,32.12 v1(89.6,32.12) 85.25,32.12 83.55,30.42 81.88,32.1 v1(78.11,32.1)
GND:
  vias: v2(16.5,26) v2(16.5,22) v2(16.5,20) v2(20,26) v2(20.5,46) v2(20.5,33.75) v2(22,46) v2(22.5,33.75) v2(24.5,33.75) v2(26.5,33.75) v2(31,46) v2(32.5,46) v2(35.5,46) v2(36,33.75) v2(37,46) v2(38,33.75) v2(57.98,15.1) v2(59.12,28.74) v2(59.45,16.75) v2(59.83,28.04) v2(60.46,30.83) v2(61.41,29.86) v2(62.41,28.83) v2(74.99,37.66) v2(76.21,38.9) v2(78.84,35.98) v2(79.94,37.17) v2(86.2,34.97) v2(86.48,37.44) v2(87.83,34.93) v2(88.22,37.43) v2(90.81,37.27) v2(91.53,34.96) v2(112.43,35.19) v2(114.25,35.69) v2(114.5,29.25) v2(118.5,29.25) v2(119.2,35.82) v2(122.75,35.5) v2(122.75,32.75) v2(122.75,30.25) v2(122.75,27.75) v2(129,25.8) v2(134,23.75) v2(134,21) v2(135.75,35.5) v2(135.75,32.75) v2(135.75,30.25) v2(135.75,27.75)
+VDC: length 35.5
  Top w1.1: CN24.1 147.75,6.04 143.76,10.03 124.98,10.03 120.5,14.51 120.5,18
/MBUS+: length 12.2
  Top w0.8: 207.86,8.77 220.04,8.77
/MBUS-: length 18.2
  Top w0.8: J1.2 222.8,7.2 221.82,6.22 207.86,6.22
/Relays/CELLAR_DOOR_OPEN_COM: length 14.5
  Bottom w1.7: K2.5 26.45,11.45 30.25,7.65 CN15.2
/Relays/CELLAR_DOOR_OPEN_LED_A: length 2.2
  Top w0.2: R4.1 19.59,15.28
/Relays/CELLAR_DOOR_OPEN_NC: length 18.6
  Bottom w1.7: CN15.1 33.75,9.51 30.21,13.05 30.21,17.16 32.27,19.22 K2.3
/Relays/CELLAR_DOOR_OPEN_NO: length 14.8
  Top w1.7: CN15.3 26.75,10.25 31.68,15.18 K2.4
/Relays/CELLAR_DOOR_OPEN_O_A: length 5
  Top w0.2: 5.05,30.77 7.33,30.77 8.59,32.03 R5.1
/Relays/CELLAR_DOOR_OPEN_O_E: length 2.6
  Top w0.2: U2.3 15.95,28.23 16.06,28.34 R6.1
/Relays/CELLAR_DOOR_OPEN_O_K: length 27.7
  Top w0.2: U2.2 9.51,24.02 21.03,24.02 21.72,23.33 21.72,21.41 20.5,20.19 D5.2 20.5,15.66 20.91,15.25 D4.1
/Relays/CELLAR_DOOR_OPEN_S8050_B: length 3.6
  Top w0.2: Q2.1 19.35,29.02 18.21,30.16 R6.2
/Relays/CELLAR_DOOR_OPEN_S8050_C: length 13.5
  Top w0.6: 20.3,30.48 20.35,30.42 26.45,30.42 ; D6.2 31.9,32.54 29.78,30.42 K2.1
/Relays/GARAGE_DOOR2_CLOSE_COM: length 14.5
  Bottom w1.7: 98.95,17.72 98.95,12.39 102.75,8.59 CN21.2
/Relays/GARAGE_DOOR2_CLOSE_LED_A: length 2.5
  Top w0.2: R22.1 69.59,16.78
/Relays/GARAGE_DOOR2_CLOSE_NC: length 18.8
  Bottom w1.7: 106.55,19.22 104.62,19.22 102.56,17.17 102.56,14.09 106.25,10.4 CN21.1
/Relays/GARAGE_DOOR2_CLOSE_NO: length 14.8
  Top w1.7: 106.55,15.19 104.18,15.19 99.25,10.25 CN21.3
/Relays/GARAGE_DOOR2_CLOSE_O_A: length 1.9
  Top w0.2: U8.1 55.64,27.95
/Relays/GARAGE_DOOR2_CLOSE_O_E: length 1.9
  Top w0.2: U8.3 42.36,30.49
/Relays/GARAGE_DOOR2_CLOSE_O_K: length 34.2
  Top w0.2: D22.1 70.5,17.69 D23.2 71.65,22.5 71.65,25.3 70.42,26.53 52.79,26.53 52.23,27.09 52.23,30.11 52.61,30.49 U8.2
/Relays/GARAGE_DOOR2_CLOSE_S8050_B: length 69
  Top w0.2: R24.2 42.91,29.22 45.71,29.22 50.28,33.79 v2(67.2,33.79) ; v2(107.4,33.15) Q8.1
  Bottom w0.2: v2(107.4,33.15) 106.75,33.8 67.57,33.8 67.56,33.79 v2(67.2,33.79)
/Relays/GARAGE_DOOR2_CLOSE_S8050_C: length 9.1
  Top w0.6: Q8.3 105.4,33.5 D24.2 104.4,32.56 102.26,30.42 98.95,30.42
/Relays/GARAGE_DOOR2_OPEN_COM: length 14.5
  Bottom w1.7: CN19.2 79.75,8.27 75.95,12.07 75.95,17.72
/Relays/GARAGE_DOOR2_OPEN_LED_A: length 2.5
  Top w0.2: R16.1 61.59,16.78
/Relays/GARAGE_DOOR2_OPEN_NC: length 18.6
  Bottom w1.7: CN19.1 83.25,9.97 79.7,13.52 79.7,17.15 81.78,19.22 83.55,19.22
/Relays/GARAGE_DOOR2_OPEN_NO: length 14.8
  Top w1.7: CN19.3 76.25,10.25 81.18,15.19 83.55,15.19
/Relays/GARAGE_DOOR2_OPEN_O_A: length 1.9
  Top w0.2: 55.64,16.95 U6.1
/Relays/GARAGE_DOOR2_OPEN_O_E: length 1.9
  Top w0.2: U6.3 42.36,19.49
/Relays/GARAGE_DOOR2_OPEN_O_K: length 33.1
  Top w0.2: D16.1 62.5,17.69 D17.2 63.66,22.51 63.66,25.23 63.37,25.52 61.55,25.52 59.62,23.59 59.62,18.52 56.46,15.36 52.84,15.36 52.26,15.94 52.26,19.14 52.61,19.49 U6.2
/Relays/GARAGE_DOOR2_OPEN_S8050_B: length 39.4
  Top w0.2: Q6.1 68.48,27.94 64.56,31.86 51.37,31.86 47.71,28.2 47.71,20.2 45.74,18.23 42.92,18.23 R18.2
/Relays/GARAGE_DOOR2_OPEN_S8050_C: length 13.2
  Top w0.6: D18.2 81.4,32.58 79.24,30.42 K6.1 Q6.3
/Relays/GARAGE_DOOR2_STOP_COM: length 14.5
  Bottom w1.7: CN20.2 91.25,8.12 87.45,11.92 87.45,17.72
/Relays/GARAGE_DOOR2_STOP_LED_A: length 2.5
  Top w0.2: R19.1 65.59,16.78
/Relays/GARAGE_DOOR2_STOP_NC: length 18.8
  Bottom w1.7: 95.05,19.22 93,19.22 91.13,17.36 91.13,13.75 94.75,10.13 CN20.1
/Relays/GARAGE_DOOR2_STOP_NO: length 14.8
  Top w1.7: CN20.3 87.75,10.13 92.81,15.19 95.05,15.19
/Relays/GARAGE_DOOR2_STOP_O_A: length 1.9
  Top w0.2: 55.64,22.45 U7.1
/Relays/GARAGE_DOOR2_STOP_O_E: length 1.9
  Top w0.2: U7.3 42.36,24.99
/Relays/GARAGE_DOOR2_STOP_O_K: length 32.8
  Top w0.2: U7.2 52.58,24.99 52.23,24.64 52.23,21.49 52.67,21.05 56.99,21.05 58.1,22.16 58.1,23.4 60.73,26.03 66.89,26.03 67.64,25.28 67.64,23.14 66.5,22 D20.2 66.5,17.69 D19.1
/Relays/GARAGE_DOOR2_STOP_S8050_B: length 61.9
  Top w0.2: R21.2 42.91,23.72 45.73,23.72 46.45,24.44 46.45,28.87 50.72,33.14 67.47,33.14 67.48,33.15 v2(67.84,33.15) ; v2(95.91,33.15) Q7.1
  Bottom w0.2: v2(67.84,33.15) v2(95.91,33.15)
/Relays/GARAGE_DOOR2_STOP_S8050_C: length 9.1
  Top w0.6: 87.45,30.42 90.77,30.42 92.9,32.56 D21.2 93.91,33.5 Q7.3
/Relays/GARAGE_DOOR_CLOSE_COM: length 14.5
  Bottom w1.7: CN11.2 125.75,64.45 128.18,62.03 128.18,55.65 K5.5
/Relays/GARAGE_DOOR_CLOSE_LED_A: length 2.5
  Top w0.2: D13.2 92.56,53.03
/Relays/GARAGE_DOOR_CLOSE_NC: length 18.1
  Top w1.7: K5.3 123.03,52.78 125.98,55.73 125.98,61.96 129.25,65.23 CN11.3
/Relays/GARAGE_DOOR_CLOSE_NO: length 10.6
  Bottom w1.7: CN11.1 122.25,57.12 K5.4
/Relays/GARAGE_DOOR_CLOSE_O_A: length 3
  Top w0.2: R14.1 136.09,45.51 135.57,46.03 135.57,47.3
/Relays/GARAGE_DOOR_CLOSE_O_E: length 19.8
  Top w0.2: U5.3 138.27,53.69 134.04,49.46 134.04,43.74 135.13,42.65 137.22,42.65 137.71,42.16 R15.1
/Relays/GARAGE_DOOR_CLOSE_O_K: length 77.2
  Top w0.2: v2(138.27,48.7) U5.2 ; D13.1 93.7,55.5 93.5,55.3 D14.2 v2(93.5,49.9)
  Bottom w0.2: v2(93.5,49.9) 88.7,45.1 88.7,39.4 89.92,38.18 131.87,38.18 137.31,43.62 137.31,47.74 v2(138.27,48.7)
/Relays/GARAGE_DOOR_CLOSE_S8050_B: length 2
  Top w0.2: Q5.1 137.7,39.6
/Relays/GARAGE_DOOR_CLOSE_S8050_C: length 11.4
  Top w0.6: D15.2 124.1,39.43 126.25,41.58 K5.1 131.5,41.58 132.53,40.55 Q5.3
/Relays/GARAGE_DOOR_OPEN_COM: length 14.5
  Bottom w1.7: CN9.2 102.75,63.75 104.74,61.76 104.74,56.09 K3.5
/Relays/GARAGE_DOOR_OPEN_LED_A: length 2.5
  Top w0.2: D7.2 84.56,53.03
/Relays/GARAGE_DOOR_OPEN_NC: length 18.4
  Top w1.7: K3.3 100.48,52.78 103.1,55.4 103.1,62.1 106.25,65.25 CN9.3
/Relays/GARAGE_DOOR_OPEN_NO: length 10.6
  Bottom w1.7: K3.4 99.25,57.12 CN9.1
/Relays/GARAGE_DOOR_OPEN_O_A: length 3.4
  Top w0.2: U3.1 79.93,45.02
/Relays/GARAGE_DOOR_OPEN_O_E: length 9
  Top w0.2: U3.3 93.82,42.48 94.2,42.1 94.2,39.4 96.76,36.84 R9.1
/Relays/GARAGE_DOOR_OPEN_O_K: length 16.4
  Top w0.2: U3.2 84.38,42.48 86.75,44.85 86.75,48.96 85.5,50.21 D8.2 85.5,55.3 85.7,55.5 D7.1
/Relays/GARAGE_DOOR_OPEN_S8050_B: length 2
  Top w0.2: R9.2 99.72,38.66
/Relays/GARAGE_DOOR_OPEN_S8050_C: length 10.7
  Top w0.6: D9.2 107.4,40.73 K3.1 104.08,41.58 102.24,39.74 Q3.3
/Relays/GARAGE_DOOR_STOP_COM: length 14.5
  Bottom w1.7: CN10.2 114.25,63.75 116.24,61.76 116.24,56.09 K4.5
/Relays/GARAGE_DOOR_STOP_LED_A: length 2.5
  Top w0.2: D10.2 88.56,53.03
/Relays/GARAGE_DOOR_STOP_NC: length 18.1
  Top w1.7: K4.3 111.53,52.78 115.14,56.39 115.14,62.59 117.75,65.2 CN10.3
/Relays/GARAGE_DOOR_STOP_NO: length 10.6
  Bottom w1.7: CN10.1 110.75,57.12 K4.4
/Relays/GARAGE_DOOR_STOP_O_A: length 3.1
  Top w0.2: U4.1 80.18,39.77
/Relays/GARAGE_DOOR_STOP_O_E: length 17
  Top w0.2: v2(94.1,37.23) U4.3 ; v2(108.25,36.84) R12.1
  Bottom w0.2: v2(94.1,37.23) 94.49,36.84 v2(108.25,36.84)
/Relays/GARAGE_DOOR_STOP_O_K: length 24.6
  Top w0.2: D10.1 89.7,55.5 89.5,55.3 D11.2 89.5,50.2 90.75,48.95 90.75,46.75 90.25,46.25 88.25,46.25 87.5,45.5 87.5,40.23 84.5,37.23 U4.2
/Relays/GARAGE_DOOR_STOP_S8050_B: length 2
  Top w0.2: R12.2 111.47,38.66
/Relays/GARAGE_DOOR_STOP_S8050_C: length 10.6
  Top w0.6: D12.2 119.25,40.38 K4.1 115.91,41.58 113.99,39.66 Q4.3
/Relays/MAIN_DOOR_OPEN_COM: length 22.1
  Bottom w1.7: CN6.2 61.25,64.96 56.27,59.98 56.27,54.21 K1.5
/Relays/MAIN_DOOR_OPEN_LED_A: length 1.5
  Top w0.2: 33.03,56.75 D1.2
/Relays/MAIN_DOOR_OPEN_NC: length 12.3
  Bottom w1.7: CN6.3 64.75,62.97 59.75,57.97 59.75,57
/Relays/MAIN_DOOR_OPEN_NO: length 12.9
  Top w1.7: CN6.1 57.75,65.14 63.79,59.1 K1.4
/Relays/MAIN_DOOR_OPEN_O_A: length 5
  Top w0.2: 28.32,54.27 U1.1
/Relays/MAIN_DOOR_OPEN_O_E: length 8.9
  Top w0.2: R3.1 35.59,49.68 37.64,51.73 U1.3
/Relays/MAIN_DOOR_OPEN_O_K: length 9.7
  Top w0.2: U1.2 34.4,51.73 38.35,55.68 D2.2 D1.1
/Relays/MAIN_DOOR_OPEN_S8050_B: length 3.2
  Top w0.2: R3.2 39,48.75 39.2,48.95 Q1.1
/Relays/MAIN_DOOR_OPEN_S8050_C: length 10
  Top w0.6: K1.1 48.55,50.67 47.87,51.35 D3.2 45,49.13 43.87,48 Q1.3
CELLAR_DOOR_CONTACT: length 157.8
  Bottom w0.2: 41.25,5.75 41.25,2.25 42.6,0.9 172.68,0.9 185.86,14.08 185.86,17.73
CELLAR_DOOR_OPEN: length 238.9
  Top w0.2: D5.1 17.85,20.15 17.85,12.35 22.25,7.95 CN14.1
  Bottom w0.2: 198.56,20.27 198.56,21.45 200.71,23.6 208.1,23.6 210.6,21.1 210.6,16.8 194.3,0.5 24,0.5 21.75,2.75 21.75,4.75
DOOR_STATUS_RGB_RING: length 60.4
  Bottom w0.2: 175.7,20.27 166.97,29 150.48,29 142.89,21.41 142.89,10.21 139.65,6.97 137.2,6.97 136.25,6.02 CN23.2
EKEY_L1: length 210.3
  Top w1: CN7.1 69.7,66.8 69.7,46.3 67.65,44.25 v4(46.25,44.25) v4(3.75,44.25)
  Bottom w1: v4(46.25,44.25) CN17.4 ; CN2.1 16.26,69.74 6.24,69.74 CN1.1 3.75,55.57 1.76,53.58 1.76,50.37 3.75,48.38 v4(3.75,44.25) 3.75,23.55 1.75,21.55 1.75,18.41 3.75,16.41 CN13.4
EKEY_L2: length 207.4
  Top w1: v4(7.25,41.85) v4(49.75,41.85) ; CN2.2 19.84,69.66 9.66,69.66 CN1.2
  Bottom w1: CN7.2 72.75,47.62 69.38,44.25 52.15,44.25 v4(49.75,41.85) CN17.3 ; CN1.2 7.25,55.55 9.28,53.52 9.28,47.53 7.25,45.5 v4(7.25,41.85) 7.25,23.55 9.2,21.6 9.2,18.38 7.25,16.43 CN13.3
EKEY_L3: length 205.7
  Top w1: v4(10.75,39.66) 10.75,39.65 v4(53.26,39.65) ; CN1.3 14.2,63.8 22.3,63.8 CN2.3
  Bottom w1: CN13.2 10.75,15.45 11.7,16.4 11.7,25.9 10.75,26.85 v4(10.75,39.66) 10.75,43.75 11.7,44.7 11.7,56.2 10.75,57.15 CN1.3 ; CN7.3 76.25,46.85 71.15,41.75 55.36,41.75 v4(53.26,39.65) 53.26,37.16 53.25,37.15 CN17.2
EKEY_L4: length 203.7
  Top w1: v4(56,37.52) 14.39,37.52 v4(14.32,37.45)
  Bottom w1: CN7.4 79.75,46 72.5,38.75 57.23,38.75 v4(56,37.52) 56,5.5 CN17.1 ; CN2.4 25.8,63.8 17.7,63.8 CN1.4 14.25,37.52 v4(14.32,37.45) 14.25,37.39 CN13.1
GARAGE_DOOR2_CLOSE: length 156
  Top w0.2: D23.1 70.5,23.96 68.49,21.95 68.49,11.21 71.75,7.95 71.75,2.75 73.2,1.3 183.11,1.3 196.05,14.24 U9.36
GARAGE_DOOR2_CONTACT: length 80.1
  Bottom w0.2: U9.22 178.27,8.17 171.4,1.3 115.9,1.3 113.75,3.45 113.75,5.75
GARAGE_DOOR2_OPEN: length 169.2
  Top w0.2: D17.1 62.5,23.98 60.51,21.99 60.51,12.19 64.75,7.95 64.75,2.65 66.9,0.5 187.46,0.5 201.13,14.17 U9.40
GARAGE_DOOR2_STOP: length 162.6
  Top w0.2: U9.38 198.59,14.25 185.24,0.9 70,0.9 68.25,2.65 68.25,7.95 64.49,11.71 64.49,20.37 65.14,21.02 65.14,22.61 66.5,23.97 D20.1
GARAGE_DOOR_BUTTON: length 67.6
  Bottom w0.2: U9.18 173.19,4.74 170.15,1.7 123.29,1.7 122.25,2.74 CN23.6
GARAGE_DOOR_BUTTON_LED_B: length 51
  Bottom w0.2: CN23.3 132.75,3.47 133.32,2.9 141.43,2.9 141.69,3.16 141.69,7.65 143.34,9.3 143.34,21.17 148.42,26.25 154.48,26.25 160.46,20.27
GARAGE_DOOR_BUTTON_LED_G: length 51.2
  Bottom w0.2: 157.92,20.27 153.44,24.75 147.69,24.75 143.78,20.84 143.78,8.38 142.34,6.94 142.34,3.03 141.81,2.5 129.83,2.5 129.25,3.08 CN23.4
GARAGE_DOOR_BUTTON_LED_R: length 61.9
  Bottom w0.2: CN23.5 125.75,2.71 126.36,2.1 169.11,2.1 170.65,3.64 U9.16
GARAGE_DOOR_CLOSE: length 152.5
  Top w0.2: CN8.4 91.59,64.09 91.59,48.61 92.6,47.6 D14.1
  Bottom w0.2: CN8.4 94.75,69.25 96,70.5 136.62,70.5 143.2,63.92 167.42,63.92 188.43,42.91 U9.29
GARAGE_DOOR_CONTACT: length 52.6
  Top w0.2: U9.3 155.41,49.09 CN12.2
GARAGE_DOOR_OPEN: length 164.5
  Top w0.2: CN8.2 83.44,62.94 83.44,48.76 84.6,47.6 D8.1
  Bottom w0.2: CN8.2 87.75,69.25 90,71.5 137.75,71.5 144.53,64.72 169.23,64.72 193.51,40.44 U9.33
GARAGE_DOOR_STOP: length 158.7
  Top w0.2: D11.1 88.6,47.6 87.55,48.65 87.55,51.35 87.58,51.38 87.58,52.12 87.55,52.15 87.55,63.55 CN8.3
  Bottom w0.2: U9.31 190.97,41.89 168.54,64.32 143.81,64.32 137.13,71 93,71 91.25,69.25 CN8.3
MAIN_DOOR_BELL: length 164.5
  Top w0.2: 185.89,22.26 185.89,23.73 146.22,63.4 145.28,63.4 137.58,71.1 47.05,71.1 45.25,69.3 CN4.2
MAIN_DOOR_CONTACT: length 146.4
  Top w0.2: U9.11 165.57,41.53 136.4,70.7 54.6,70.7 53.25,69.35 CN5.2
MAIN_DOOR_OPEN: length 195.9
  Top w0.2: U9.35 196.05,23.75 155.14,64.66 145.57,64.66 138.73,71.5 39.3,71.5 37.25,69.45 37.25,64.04 39.5,61.79 39.5,58.25 41,56.75 D2.1
UART_RX: length 16.5
  Top w0.2: 167.96,6.22 169.06,6.22 169.7,6.86 169.7,12.2 168.79,13.11 164.17,13.11 163.03,14.25 U9.10
UART_TX: length 11.3
  Top w0.2: 167.94,8.76 165.97,8.76 160.49,14.24 U9.8

## Copper pours and planes (outline as drawn; the poured copper is in the pictures)
+5V on Top: 131.5,20.05 130.4,20.05 130.4,26.2 136.03,26.2 138.5,30.15 138.5,33.75 141.75,33.75 141.75,30.15 137.85,25.25 131.5,25.25
+5V on Top: 138.25,33.75 145,33.75 145,18.19 155.92,18.18 155.92,14.51 141.57,14.51 141.57,19.77 142.6,21.08 142.59,30.15 141.75,30.15 137.85,25.25 138.25,30.15
GND on Top: 126.23,26.8 138.5,26.8 138.5,15.41 128.75,15.41 128.75,18.4 128.7,20.05 128.7,24.65 126.23,24.65
GND on Top, Bottom: 0,0 21.75,0 21.75,9.4 21.72,9.4 21.72,28.05 37.75,28.05 37.75,0 71.5,0 71.5,28 110.25,28 110.25,0 232,0 232,72 133.25,72 133.25,44 94.25,44 94.25,72 68.75,72 68.75,45 50.9,45 50.9,64 51.5,64 51.5,72 0,72
/Power Supply/PWR_IN on Top: 115.25,25.65 117.7,25.65 117.7,24.65 126.15,24.65 126.15,20.05 117.75,20.05 117.75,16.85 115.25,16.85
/Power Supply/PWR_OUT on Top: 127,24.65 128.1,24.65 128.1,20.05 128.75,18.4 128.75,15.41 138.5,15.41 138.5,24.85 142,24.85 142,21.25 140.82,19.8 140.82,13.65 126.25,13.65 126.25,18.4 127,20.05

## Text on the board
B.Silkscreen: JLCJLCJLCJLC
F.Silkscreen: OPEN | STOP | CLOSE | 1 | 2 | EKEY BUS | 3 | 4 | BELL | CONTACT | BUTTON | R | G | B | RING | 5V | - | 12-24V | + | EKEY Controller | Main Door | Garage Door 1 | Cellar Door | Garage Door 2 | Push Button & Status LED | Power | Door Server 1.0
